# Altium PCB mcu.PcbDoc (continued)
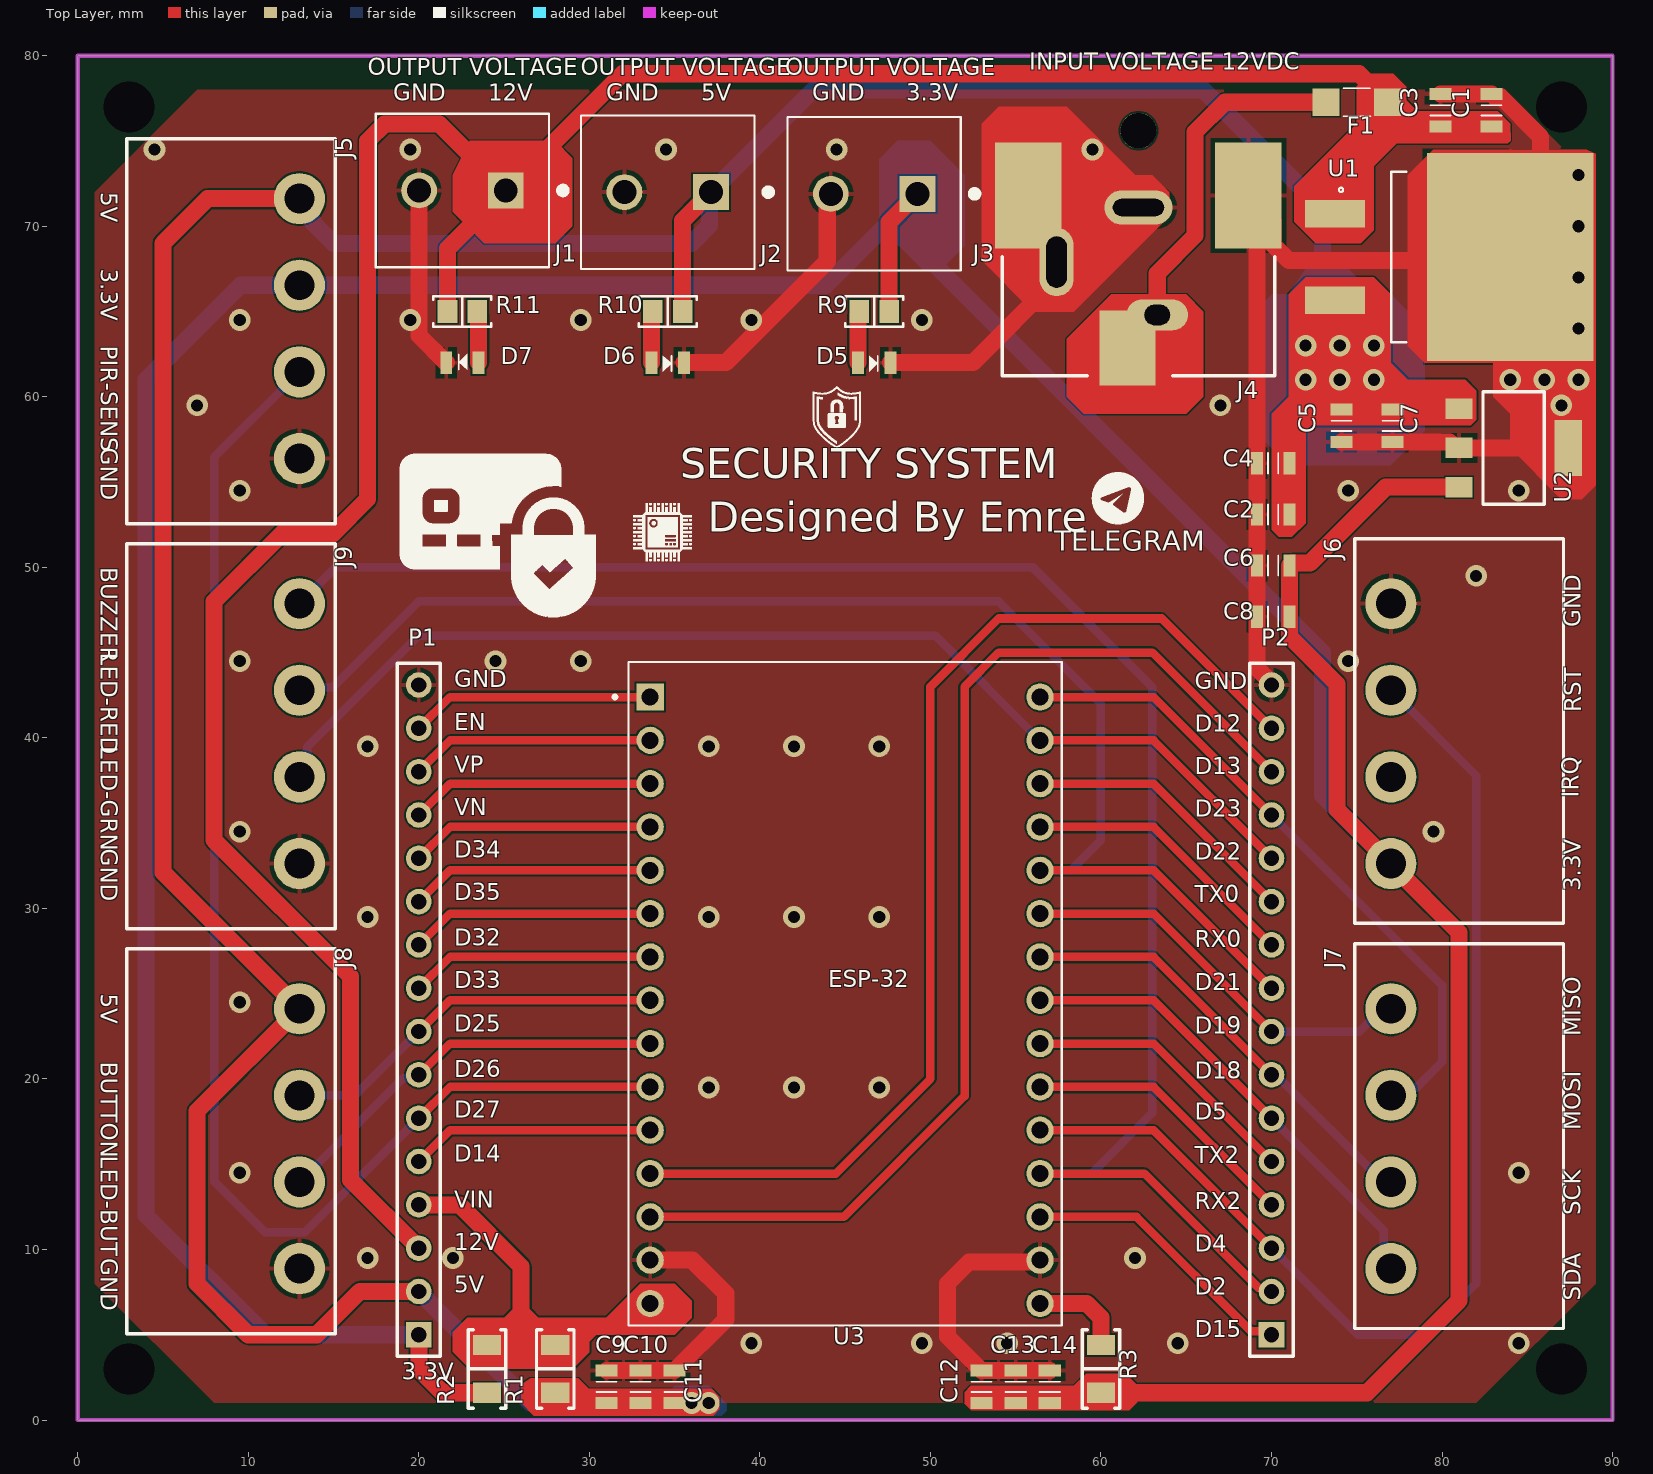
[diagram p0: Top Layer view]
## Part data (continued)
D6 D7: library part "LED RED 0805", "Chipled 0805 Hyp Red 645NM", Case/Package=0805, Forward Voltage=1.8V, Manufacturer="Osram Opto", Manufacturer Part Number=LHR974-LP-1-0-20-R18, Supplier Part Number 1=475-LHR974-LP-1-0-20-R18TR-ND, Category=LEDs, ComponentLink1Description=https://www.verical.com/server-webapp/html/getDatasheet?partID=752067&src-supplier=Verical, ComponentLink1URL=https://www.verical.com/server-webapp/html/getDatasheet?partID=752067&src-supplier=Verical, Designed by=EMRE, Lead Free="Lead Free", Lens Style=Diffused, Luminous Intensity=15mcd, RoHS=Yes, RoHS Compliant=Yes, Supplier 1=Digi-Key, Viewing Angle=160°, Wavelength=660nm
F1: "Fuse Chip Fast Acting 1A 32V SMD Solder Pad 1206 Glass T/R VDE/cULus", Case Code (Metric)=3216, Case Code (Imperial)=1206, Current Rating=1A, DC Cold Resistance=94.2mR, Manufacturer=Schurter, Manufacturer Part Number=3413.0216.22, Max Operating Temperature=90°C, Max Voltage Rating (AC)=32V, Max Voltage Rating (DC)=63V, Min Operating Temperature=-55°C, Package Quantity=1000, Supplier Part Number 1=486-1144-1-ND, Approvals=VDE,cURus, Body Material=Glass,Epoxy, Case/Package=1206, Category=Fuses, ComponentLink1Description=https://datasheet.ciiva.com/301/typ-usi-1206-301440.pdf?src-supplier=Digi-Key, ComponentLink1URL=https://datasheet.ciiva.com/301/typ-usi-1206-301440.pdf?src-supplier=Digi-Key, ComponentLink2Description=https://datasheet.ciiva.com/14541/70160006-14541114.pdf?src-supplier=Allied+Electronics, ComponentLink2URL=https://datasheet.ciiva.com/14541/70160006-14541114.pdf?src-supplier=Allied+Electronics, ComponentLink3Description=https://datasheet.ciiva.com/301/typ-usi-1206-301439.pdf?src-supplier=Digi-Key, ComponentLink3URL=https://datasheet.ciiva.com/301/typ-usi-1206-301439.pdf?src-supplier=Digi-Key, ComponentLink4Description=https://datasheet.ciiva.com/301/typ-usi-1206-301441.pdf?src-supplier=Digi-Key, ComponentLink4URL=https://datasheet.ciiva.com/301/typ-usi-1206-301441.pdf?src-supplier=Digi-Key, ComponentLink5Description=https://datasheet.ciiva.com/8264/typ-usi-1206-8264583.pdf?src-supplier=Avnet, ComponentLink5URL=https://datasheet.ciiva.com/8264/typ-usi-1206-8264583.pdf?src-supplier=Avnet, ComponentLink6Description=https://datasheet.ciiva.com/14102/qousi1206-data-e-14102903.pdf?src-supplier=Distrelec, ComponentLink6URL=https://datasheet.ciiva.com/14102/qousi1206-data-e-14102903.pdf?src-supplier=Distrelec, ComponentLink7Description=https://datasheet.ciiva.com/16316/typ-usi-1206-16316588.pdf?src-supplier=Future+Electronics, ComponentLink7URL=https://datasheet.ciiva.com/16316/typ-usi-1206-16316588.pdf?src-supplier=Future+Electronics, Contact Plating=Gold, Depth=1.6mm, Designed by=EMRE, Fuse Type="Board Mount (Cartridge Style Excluded)", Height=0.6mm, Housing Material=Glass, Lead Free="Lead Free", Length=3.2mm, Mount="Surface Mount,PCB", Number of Pins=2, Packaging="Tape and Reel", Pricing 1="1=0,67000, 50=0,52400, 100=0,39700, 500=0,32624 (USD)", Radiation Hardening=No, RoHS=Yes, RoHS Compliant=Yes, Series="USI 1206", Stock 1=13574, Supplier 1=Digi-Key, Terminal Material=Tin, Termination=SMD/SMT, Voltage Rating=32V, Voltage Rating (AC)=32V, Voltage Rating (DC)=63V, Weight=0.000212oz, Width=1.6mm, Working Voltage=32V
J1 J2 J3: library part CONNECTOR_2Pin, "Conn Terminal Block 2 POS 5.08mm Solder ST Thru-Hole 17.5A/Contact", Color=Green, Current=17.5A, Flammability Rating="UL94 V-0", Manufacturer="TE Connectivity", Max Operating Temperature=105°C, Max Supply Voltage (AC)=300V, Min Operating Temperature=-40°C, Package Quantity=300, Supplier Part Number 1=A98342-ND, Category="Terminal Blocks", Closed End="No (Without)", ComponentLink1Description=https://datasheet.ciiva.com/11758/0900766b80e7dc90-11758676.pdf?src-supplier=Rs, ComponentLink1URL=https://datasheet.ciiva.com/11758/0900766b80e7dc90-11758676.pdf?src-supplier=Rs, ComponentLink2Description=https://datasheet.ciiva.com/15225/getdatasheetpartid-155859-15225932.pdf?src-supplier=Verical, ComponentLink2URL=https://datasheet.ciiva.com/15225/getdatasheetpartid-155859-15225932.pdf?src-supplier=Verical, ComponentLink3Description=https://datasheet.ciiva.com/823/eng-cd-282841-h6-823441.pdf?src-supplier=Digi-Key, ComponentLink3URL=https://datasheet.ciiva.com/823/eng-cd-282841-h6-823441.pdf?src-supplier=Digi-Key, ComponentLink4Description=https://datasheet.ciiva.com/30126/eng-cs-1308389-eurostyle-terminal-blocks-0607-30126654.pdf?src-supplier=Onlinecomponents.com, ComponentLink4URL=https://datasheet.ciiva.com/30126/eng-cs-1308389-eurostyle-terminal-blocks-0607-30126654.pdf?src-supplier=Onlinecomponents.com, Connector Type=Receptacle, Contact Material=Brass, Contact Plating=Tin, Current Rating=17.5A, Depth=9mm, ELV=Compliant, Gender=Male, Housing Color=Green, Housing Material=Polyamide, Lead Free="Lead Free", Length=10.16mm, Manufacturer Part Number=282841-2, Material=Nylon, Max Current Rating=17.5A, Max Voltage Rating (AC)=300V, Mount="Through Hole", Number of Circuits=2, Number of Contacts=2, Number of Levels=1, Number of Poles=2, Number of Positions=2, Number of Positions Per Level=2, Number of Rows=1, Orientation=Straight, Packaging=Carton, Pitch=5.08mm, Plating=Brass, Pricing 1="1=0,88, 10=0,836, 25=0,7992, 50=0,788, 100=0,6886, 250=0,66288, 500=0,62604, 1000=0,54134, 5000=0,464 (USD)", Radiation Hardening=No, Reach SVHC Compliant=Unknown, RoHS=Yes, RoHS Compliant=Yes, Screw Flange="No (Without)", Screwless Terminal Block="Yes (With)", Series=Buchanan, Side Stackable="No (Without)", Stock 1=18756, Supplier 1=Digi-Key, Tail Length=3.5mm, Termination=Solder, Thread Size=M3, Voltage=300V, Voltage Rating=300V, Width=9mm, Wire Gauge (Max)=30AWG, Wire Gauge (Min)=30AWG, Wire/Cable Gauge=30AWG, Interlock="Yes (With)"
J4: "2.0 x 6.3 mm, 5.0 A, Horizontal, Surface Mount (SMT), Dc Power Jack Connector", Case/Package=SMD/SMT, Color=Black, Current Rating=5A, Flammability Rating="UL94 V-0", Manufacturer=CUI, Max Operating Temperature=85°C, Min Operating Temperature=-25°C, Package Quantity=200, Supplier Part Number 1=CP-037AHPJCT-ND, Voltage Rating=24V, Insulation Resistance=100MR, Category=Connectors, ComponentLink1Description=http://www.mouser.com/ds/2/670/pj-037ah-smt-516065.pdf?src-supplier=Mouser, ComponentLink1URL=http://www.mouser.com/ds/2/670/pj-037ah-smt-516065.pdf?src-supplier=Mouser, ComponentLink2Description=https://www.cui.com/product/resource/digikeypdf/pj-037ah-smt-tr.pdf?src-supplier=Digi-Key, ComponentLink2URL=https://www.cui.com/product/resource/digikeypdf/pj-037ah-smt-tr.pdf?src-supplier=Digi-Key, ComponentLink3Description=http://www.cui.com/product/resource/digikeypdf/pj-037ah-smt.pdf?src-supplier=Digi-Key, ComponentLink3URL=http://www.cui.com/product/resource/digikeypdf/pj-037ah-smt.pdf?src-supplier=Digi-Key, Connector Type=Jack, Contact Gender=Male, Contact Material=Copper, Contact Plating=Nickel, Designed by=EMRE, Gender=Male, Housing Color=Black, Housing Material=Thermoplastic, Manufacturer Part Number=PJ-037AH-SMT-TR, Mount="Surface Mount,Through Hole", Number of Conductors=2, Orientation=Horizontal, Packaging="Tape and Reel", Pricing 1="1=1,510000, 10=1,317000, 25=1,261200, 50=1,233200, 100=1,177200 (USD)", RoHS=Yes, Shielding=Unshielded, Stock 1=7547, Supplier 1=Digi-Key, Termination=Solder
J5 J6 J7 J8 J9: library part CONNECTOR_4Pin, "Terminal Header; 12 A; 5.08 mm; 4; Solder Mount; 1.4 mm; 4 kV; 250 V; PBT", Color=Green, Current=15A, Current Rating=12A, Flammability Rating="UL94 V-0", Manufacturer="Phoenix Contact", Package Quantity=50, Supplier Part Number 1=277-1108-ND, Voltage=300V, Voltage Rating=250V, Approvals=UL,CSA, Category="Terminal Blocks", ComponentLink1Description=https://datasheet.ciiva.com/16096/1757268-16096406.pdf?src-supplier=Onlinecomponents.com, ComponentLink1URL=https://datasheet.ciiva.com/16096/1757268-16096406.pdf?src-supplier=Onlinecomponents.com, ComponentLink2Description=https://datasheet.ciiva.com/15197/getdatasheetpartid-176352-15197330.pdf?src-supplier=Verical, ComponentLink2URL=https://datasheet.ciiva.com/15197/getdatasheetpartid-176352-15197330.pdf?src-supplier=Verical, ComponentLink3Description=https://datasheet.ciiva.com/795/1757268-795434.pdf?src-supplier=Digi-Key, ComponentLink3URL=https://datasheet.ciiva.com/795/1757268-795434.pdf?src-supplier=Digi-Key, ComponentLink4Description=https://datasheet.ciiva.com/7630/1697153-7630841.pdf?src-supplier=Element14, ComponentLink4URL=https://datasheet.ciiva.com/7630/1697153-7630841.pdf?src-supplier=Element14, ComponentLink5Description=https://datasheet.ciiva.com/29210/569323-da-01-en-grundgehaeuse-1757268-250-st-29210575.pdf?src-supplier=Conrad, ComponentLink5URL=https://datasheet.ciiva.com/29210/569323-da-01-en-grundgehaeuse-1757268-250-st-29210575.pdf?src-supplier=Conrad, ComponentLink6Description=https://datasheet.ciiva.com/16703/70054631-16703596.pdf?src-supplier=Allied+Electronics, ComponentLink6URL=https://datasheet.ciiva.com/16703/70054631-16703596.pdf?src-supplier=Allied+Electronics, Connector Type=Plug, Contact Material=Tin, Contact Plating=Tin, Depth=12mm, Gender=Male, Height=12.1mm, Housing Color=Green, Housing Material=Polybutylene, Lead Free="Lead Free", Length=22.32mm, Manufacturer Part Number=1757268, Max Current Rating=12A, Mount="Through Hole", Number of Contacts=4, Number of Levels=1, Number of Poles=4, Number of Positions=4, Number of Positions Per Level=4, Number of Rows=1, Orientation="Right Angle", Packaging=Bulk, Pitch=5.08mm, Pricing 1="1=1,62, 10=1,484, 50=1,419, 100=1,3803, 250=1,29, 500=1,1868, 1000=1,0965, 2500=1,0449, 5000=0,9804 (USD)", Reach SVHC Compliant=No, RoHS=Yes, RoHS Compliant=Yes, Series=MSTBA, Stock 1=17192, Supplier 1=Digi-Key, Termination=Solder, Voltage Rating (DC)=250V, Weight=5.396916oz, Width=22.24mm
P1 P2: "Header, 16-Pin", LatestRevisionDate=17-Jul-2002, LatestRevisionNote="Re-released for DXP Platform.", Publisher="Altium Limited"
R1 R2 R3: library part RC1206FR-130RL, "RES 0 OHM JUMPER 1206", Device Package="1206 (3216 Metric)", Manufacturer=Yageo, Operating Temperature="-55°C ~ 155°C", Supplier Device Package=1206, Supplier Part Number 1=13-RC1206FR-130RLCT-ND, Tolerance=Jumper, ComponentLink1Description=Datasheet, ComponentLink1URL=https://www.yageo.com/upload/media/product/productsearch/datasheet/rchip/PYu-RC_Group_51_RoHS_L_12.pdf, ComponentLink2Description="DigiKey Link", ComponentLink2URL=https://www.digikey.com/en/products/detail/yageo/RC1206FR-130RL/16982181, Composition="Thick Film", Features="Moisture Resistant", Height - Seated (Max)="0.026\" (0.65mm)", LastUpdated="1.05.2023 19:33:04", Lifecycle Status=Active, Minimum Order=1, Number of Terminations=2, Package / Case="1206 (3216 Metric)", Packaging=TapeAndReel, Part Number=RC1206FR-130RL, Part Status=Active, PartId=76721, Price=0.01, Resistance="0 Ohms", Series=RC_L, Size / Dimension="0.122\" L x 0.063\" W (3.10mm x 1.60mm)", Supplier 1=DigiKey
R9: library part ESR10EZPJ331, "RES SMD 330 OHM 5% 0.4W 0805", Device Package="0805 (2012 Metric)", Manufacturer="Rohm Semiconductor", Operating Temperature="-55°C ~ 155°C", Power (Watts)="0.4W, 2/5W", Ratings=AEC-Q200, Supplier Device Package=0805, Supplier Part Number 1=RHM330KCT-ND, Temperature Coefficient=±200ppm/°C, Tolerance=±5%, ComponentLink1Description=Datasheet, ComponentLink1URL=https://www.rohm.com/datasheet/ESR01MZPF/esr-e, ComponentLink2Description="DigiKey Link", ComponentLink2URL=https://www.digikey.com/en/products/detail/rohm-semiconductor/ESR10EZPJ331/1762807, Composition="Thick Film", Features="Automotive AEC-Q200, Pulse Withstanding", Height - Seated (Max)="0.026\" (0.65mm)", LastUpdated="1.05.2023 19:42:01", Lifecycle Status=Active, Minimum Order=1, Number of Terminations=2, Package / Case="0805 (2012 Metric)", Packaging=TapeAndReel, Part Number=ESR10EZPJ331, Part Status=Active, PartId=32307, Price=0.01, Resistance="330 Ohms", Series=ESR, Size / Dimension="0.079\" L x 0.049\" W (2.00mm x 1.25mm)", Supplier 1=DigiKey
R10: library part ERA-6AEB102V, "RES 1K OHM 0.1% 1/8W 0805", Device Package="0805 (2012 Metric)", Manufacturer="Panasonic Electronic Components", Operating Temperature="-55°C ~ 155°C", Power (Watts)="0.125W, 1/8W", Ratings=AEC-Q200, Supplier Device Package=0805, Supplier Part Number 1=P1.0KDACT-ND, Temperature Coefficient=±25ppm/°C, Tolerance=±0.1%, ComponentLink1Description=Datasheet, ComponentLink1URL=https://industrial.panasonic.com/cdbs/www-data/pdf/RDM0000/AOA0000C307.pdf, ComponentLink2Description="DigiKey Link", ComponentLink2URL=https://www.digikey.com/en/products/detail/panasonic-electronic-components/ERA-6AEB102V/1465748, Composition="Thin Film", Features="Automotive AEC-Q200", Height - Seated (Max)="0.024\" (0.60mm)", LastUpdated="23.05.2023 19:59:49", Lifecycle Status=Active, Minimum Order=1, Number of Terminations=2, Package / Case="0805 (2012 Metric)", Packaging=TapeAndReel, Part Number=ERA-6AEB102V, Part Status=Active, PartId=28065, Price=0.03, Resistance="1 kOhms", Series=ERA-6A, Size / Dimension="0.079\" L x 0.049\" W (2.00mm x 1.25mm)", Supplier 1=DigiKey
R11: library part RC0805FR-072KP, "RES SMD 2K OHM 1% 1/8W 0805", Device Package="0805 (2012 Metric)", Manufacturer=Yageo, Operating Temperature="-55°C ~ 155°C", Power (Watts)="0.125W, 1/8W", Supplier Device Package=0805, Supplier Part Number 1=YAG1322CT-ND, Temperature Coefficient=±100ppm/°C, Tolerance=±1%, ComponentLink1Description=Datasheet, ComponentLink1URL=http://www.yageo.com/NewPortal/yageodocoutput?fileName=/pdf/R-Chip/PYu-RC_51_RoHS_P_0.pdf, ComponentLink2Description="DigiKey Link", ComponentLink2URL=https://www.digikey.com/en/products/detail/yageo/RC0805FR-072KP/4935337, Composition="Thick Film", Features="Moisture Resistant", Height - Seated (Max)="0.024\" (0.60mm)", LastUpdated="23.05.2023 19:59:47", Lifecycle Status=Active, Minimum Order=1, Number of Terminations=2, Package / Case="0805 (2012 Metric)", Packaging=TapeAndReel, Part Number=RC0805FR-072KP, Part Status=Active, PartId=28672, Price=0.01, Resistance="2 kOhms", Series="RC-P Lead Free", Size / Dimension="0.079\" L x 0.049\" W (2.00mm x 1.25mm)", Supplier 1=DigiKey
U1: library part 7805
U3: library part ESP32_BOARD

## Free pads (board coordinates)
  rect 0x0 hole 3 mask+0.05: ""(3,3) ""(3,77) ""(87,3) ""(87,77)

## Via types
v1: diameter 1.27, hole 0.711, Top Layer to Bottom Layer, tented both sides, 60 vias

## Nets (pads, with @x,y where several pads share a name; then routed paths per layer and width w, separated by ;. In a path a pad name is that pad's centre, name@x,y a point inside that pad or via, vN(x,y) a via of type N, cw(c..) or ccw(c..) an arc to the next point about the centre after c; other vN are vias at no path point)
3V3DC: C6.2 C8.2 C12.2 C13.2 C14.2 J3.1 J5.2 J6.1 P1.1 R2.2 R3.2 R9.1 U2.3 | length 264.9
  Top Layer w1: P1.1 20,3 21.4,1.6 R2.2 ; R9.1 47.575,70.235 J3.1 ; R3.2 75.6,1.6 81,7 81,28.591 77,32.591 J6.1 73.834,35.796 73.834,43.166 71.05,45.95 C8.2 C6.2 71.192,50.242 72.242,50.242 76.7,54.7 U2.3
  Bottom Layer w1: P1.1 11,5 4,12 4,61 9.54,66.54 J5.2 43.88,66.54 J3.1 49.24,68.76 73,45 73,36.63 J6.1
3V3DC_P: 
3V3DC_R: 
5VDC: C2.2 C4.2 C5.2 C7.2 C9.2 C10.2 C11.2 J2.1 J5.1 J8.1 P1.2 R1.2 R10.1 U1.3 U2.1 | length 193.7
  Top Layer w1: J5.1 7.62,71.62 5,69 5,32.12 J8.1 7,18.12 7,8 10,5 14,5 16.54,7.54 P1.2 ; R10.1 35.475,70.335 J2.1
  Bottom Layer w1: J5.1 13,71.079 13.811,70.267 13.811,70.189 15,69 36,69 37.036,70.036 37.036,71.896 43.14,78 66,78 73,71 73,64 ; P1.2 26.54,1 v1(36,1)
  other v1: 37,1 72,61 74,61 76,61 72,63 74,63 76,63
5VDC_P: 
5VDC_R: 
12VDC: C1.2 C3.2 F1.1 J1.1 P1.3 R11.1 U1.1 | length 149.2
  Top Layer w1: P1.3 16,14.08 16,26 8,34 8,48 12,52 15,52 17,54 17,75 18,76 21.2,76 J1.1 ; R11.1 21.685,68.685 J1.1 ; F1.1 75.128,78.943 31.943,78.943 J1.1
BUTTON: J8.2 P1.8 U3.D25 | length 22.9
  Top Layer w0.5: P1.8 21.835,24.615 U3.D25
  Bottom Layer w0.5: J8.2 16.26,19.04 P1.8
BUTTON_R: 
BUZZER: J9.1 P2.2 U3.D2 | length 103.3
  Top Layer w0.5: U3.D2 62.545,14.455 69.269,7.731 69.809,7.731 P2.2
  Bottom Layer w0.5: J9.1 15.13,50 56,50 63,43 63,18 59.455,14.455 U3.D2
BUZZER_R: 
D12: P2.15 U3.D12 | length 66.1
  Top Layer w0.5: U3.D12 44.455,14.455 50,20 50,43 54,47 63.56,47 P2.15
D13: P2.14 U3.D13 | length 67.1
  Top Layer w0.5: U3.D13 44.915,11.915 52,19 52,43 54,45 63.02,45 P2.14
D14: P1.5 U3.D14 | length 14.3
  Top Layer w0.5: P1.5 21.835,16.995 U3.D14
D15: P2.1 U3.D15 | length 16.4
  Top Layer w0.5: U3.D15 62.085,11.915 68.793,5.207 69.793,5.207 P2.1
D32: P1.10 U3.D32 | length 14.3
  Top Layer w0.5: P1.10 21.835,29.695 U3.D32
D33: P1.9 U3.D33 | length 14.3
  Top Layer w0.5: P1.9 21.835,27.155 U3.D33
D34: P1.12 U3.D34 | length 14.3
  Top Layer w0.5: P1.12 21.835,34.775 U3.D34
D35: P1.11 U3.D35 | length 14.3
  Top Layer w0.5: P1.11 21.835,32.235 U3.D35
EN: P1.15 U3.EN | length 14.3
  Top Layer w0.5: P1.15 21.835,42.395 U3.EN
GND: C1.1 C2.1 C3.1 C4.1 C5.1 C6.1 C7.1 C8.1 C9.1 C10.1 C11.1 C12.1 C13.1 C14.1 D5.1 D6.1 D7.1 J1.2 J2.2 J3.2 J4.2 J4.3 J5.4 J6.4 J8.4 J9.4 P1.16 P2.16 U1.4 U2.2 U3.GND U3.GND_1 | length 143.1
  Top Layer w1: J1.2 20.02,63.59 D7.1 ; C9.1 C10.1 C11.1 38,5.9 38,7.414 36.039,9.375 U3.GND_1 ; D6.1 38,62 43.95,67.95 43.95,71.69 J3.2 ; D5.1 52.5,62 57.4,66.9 J4.3@57.4,67.9 ; U3.GND 56.315,9.26 52.26,9.26 51,8 51,4.9 C12.1 C13.1 C14.1 ; P2.16 70,43.235 69.15,44.085 C8.1 C6.1 C2.1 C4.1 69.15,71.15 69.225,71.225 70.1,70.35 70.1,68.9 71.015,67.985 83.785,67.985 85.814,70.014 85.786,70.042 85.786,75.242 83.428,77.6 83.05,77.6 C1.1 C3.1 ; C5.1 C7.1 80.45,57.35 80.8,57 81,57 U2.2@87.4,57
  other v1: 39.5,4.5 49.5,4.5 54.5,4.5 64.5,4.5 84.5,4.5 17,9.5 22,9.5 62,9.5 9.5,14.5 84.5,14.5 37,19.5 42,19.5 47,19.5 9.5,24.5 17,29.5 37,29.5 42,29.5 47,29.5 9.5,34.5 79.5,34.5 17,39.5 37,39.5 42,39.5 47,39.5 9.5,44.5 24.5,44.5 29.5,44.5 74.5,44.5 82,49.5 9.5,54.5 74.5,54.5 84.5,54.5 7,59.5 67,59.5 87,59.5 84,61 86,61 88,61 88,64 9.5,64.5 19.5,64.5 29.5,64.5 39.5,64.5 49.5,64.5 88,67 88,70 88,73 4.5,74.5 19.5,74.5 34.5,74.5 44.5,74.5 59.5,74.5
GND_P: 
GND_R: 
IRQ: J6.2
IRQ_R: 
LED_BUTTON: J8.3 P1.7 U3.D26 | length 23.9
  Top Layer w0.5: P1.7 21.835,22.075 U3.D26
  Bottom Layer w0.5: J8.3 19.089,20.049 19.809,20.049 P1.7
LED_BUTTON_R: 
LED_KIRMIZI: J9.2 P2.9 U3.D21 | length 80.4
  Top Layer w0.5: U3.D21 63.085,32.235 P2.9
  Bottom Layer w0.5: J9.2 13.167,42.957 14.957,42.957 20,48 54,48 60,42 60,34 58.235,32.235 U3.D21
LED_KIRMIZI_R: 
LED_YESIL: J9.3 P2.12 U3.D22 | length 66.6
  Top Layer w0.5: U3.D22 63.085,39.855 P2.12
  Bottom Layer w0.5: J9.3 13.446,38.156 13.446,39.446 20,46 50.285,46 U3.D22
LED_YESIL_R: 
MISO: J7.4 P2.8 U3.D19 | length 24
  Top Layer w0.5: U3.D19 63.085,29.695 P2.8
  Bottom Layer w0.5: P2.8 75.158,22.78 76.498,24.12 J7.4
MISO_R: 
MOSI: J7.3 P2.13 U3.D23 | length 38.9
  Top Layer w0.5: U3.D23 63.085,42.395 P2.13
  Bottom Layer w0.5: P2.13 80,25.48 80,21 78.518,19.518 77.478,19.518 J7.3
MOSI_R: 
NetD1_2: 
NetD2_2: 
NetD3_2: 
NetD4_2: 
NetD5_2: D5.2 R9.2 | length 3
  Top Layer w1: D5.2 45.75,64.825 45.825,64.9 R9.2
NetD6_2: D6.2 R10.2 | length 3
  Top Layer w1: D6.2 33.65,64.825 33.725,64.9 R10.2
NetD7_2: D7.2 R11.2 | length 3
  Top Layer w1: R11.2 23.435,64.9 23.51,64.825 D7.2
NetF1_2: F1.2 J4.1 | length 20
  Top Layer w1: J4.1@63.3,64.8 63.3,67.235 65.52,69.454 65.52,75.52 67.271,77.271 F1.2
NetR3_1: R3.1 U3.3V3 | length 5.5
  Top Layer w1: U3.3V3 59.165,6.835 60,6 R3.1
PIR_SENSOR: J5.3 P1.6 U3.D27 | length 79.9
  Top Layer w0.5: P1.6 21.835,19.535 U3.D27
  Bottom Layer w0.5: J5.3 8,56.46 8,14 11,11 13.3,11 P1.6
PIR_SENSOR_P: 
RST: J6.3 P2.3 U3.D4 | length 68.6
  Top Layer w0.5: U3.D4 63.085,16.995 P2.3
  Bottom Layer w0.5: P2.3 75.08,5 79,5 82,8 82,37.79 J6.3
RST_R: 
RX0: P2.10 U3.RX0 | length 16.4
  Top Layer w0.5: U3.RX0 63.085,34.775 P2.10
RX2: P2.4 U3.RX2 | length 16.4
  Top Layer w0.5: U3.RX2 63.085,19.535 P2.4
SCK: J7.2 P2.7 U3.D18 | length 26
  Top Layer w0.5: U3.D18 63.085,27.155 P2.7
  Bottom Layer w0.5: P2.7 70.271,20.24 76.551,13.96 J7.2
SCK_R: 
SDA: J7.1 P2.6 U3.D5 | length 28.2
  Top Layer w0.5: U3.D5 63.085,24.615 P2.6
  Bottom Layer w0.5: P2.6 76.57,11.13 76.57,9.31 J7.1
SDA_R: 
TX0: P2.11 U3.TX0 | length 16.4
  Top Layer w0.5: U3.TX0 63.085,37.315 P2.11
TX2: P2.5 U3.TX2 | length 16.4
  Top Layer w0.5: U3.TX2 63.085,22.075 P2.5
VIN: P1.4 R1.1 R2.1 U3.VIN | length 11.5
  Top Layer w1: P1.4 22.38,12.62 26,9 26,5
VN: P1.13 U3.VN | length 14.3
  Top Layer w0.5: P1.13 21.835,37.315 U3.VN
VP: P1.14 U3.VP | length 14.3
  Top Layer w0.5: P1.14 21.835,39.855 U3.VP
pads on no net: J4.

## Polygon pours and split planes (outlines as drawn)
GND on Top Layer "GND_L01_P001" (solid, remove dead copper, pour order 1): 1,72 7,78 83.651,78 89,72.651 89,71 89,8 82,1 8,1 1,8
GND on Bottom Layer "GND_L02_P002" (solid, remove dead copper, pour order 2): 1,72 7,78 83.651,78 89,72.651 89,71 89,8 82,1 8,1 1,8

## Keep-outs
Keep-Out Layer:
  the board outline again, w0.254

## Other copper
Top Layer:
  region net 12VDC: 23,75 28,75 29,74 29,70 28,69 23.845,69 22,70.845 22,73
  region net VIN: 26,7 24,5 28,5
  region net 5VDC: 26.55,2.437 29.364,2.437 29.579,2.222 29.975,1.826 37.174,1.826 37.632,1.368 37.632,0.632 37.264,0.264 26.736,0.264 26,1 26,2 26.069,2.114
  region net VIN: 31,6 33,8 35,8 36,7 36,6 35,5 30.398,5 30,4.602 30,3.967 29.033,3 23,3 22,4 22,5.146 22.854,6
  region net NetF1_2: 65,66 66,65 66,60 65,59 59,59 58,60 58,63.411 60.589,66
  region net GND: 53,76 53,68 56,65 58.404,65 64,70.596 64,72 63,73 62,73 58,77 54,77
  region net GND: 84,57 87,54 88.193,54 89,54.807 89,74.256 88.474,74.474 79.474,74.474 78,73 78,71 78,63 79,62 83,62 83,60 84,59 84,58
  region net 3V3DC: 52.358,2 58.419,2 59.138,2.719 61.453,2.719 62.139,2.033 62.139,1.043 61.662,0.566 52.402,0.566 51.996,0.971 52,0.975 52,1.642
  region net 12VDC: 84,76 84.02,75.02 83.861,74.861 77.33,74.861 76,73.531 76,69.767 75.233,69 72.605,69 71.334,70.27 71.334,72.334 75,76 75,78.217 75.741,78.958 75.76,78.939 77.133,78.939 77.904,78.168 77.904,77.389 78.555,76.738 83.262,76.738
  region net 5VDC: 72,67 76,67 77,66 77,62 78,61 81.36,61 82,60.36 82,58.656 81.678,58.335 72.335,58.335 72,58 72,52.588 71.197,51.785 70.433,51.785 70,52.218 70,59 71,60 71,62 71,66
Bottom Layer:
  region net 5VDC: 73,69 76,66 76,65 72,65 71,66
  region net 5VDC: 73,68 71,66
  region net 5VDC: 77,66 79,64 79,58 77,56 71,56 69,58 69,65 70,66 72,66 70,66 72,66
  region net 3V3DC: 47,70 49.597,67.403 50.555,67.403 52,68.848 52,73 50,75 48.063,75 47,73.937
  region net 5VDC: 35,2 37,2 38.027,0.973 38.027,0.526 37.789,0.288 35.216,0.288 34.729,0.775 34.729,1.729 34.755,1.755

## Silkscreen, mask and mechanical layers (free items; w line width, h text height)
Top Overlay:
  drawing of 28 lines, arcs and shapes, not listed
  text "INPUT VOLTAGE 12VDC" at 55.801,78.838 h1.7
  text "OUTPUT VOLTAGE" at 17,78.516 h1.7
  text "OUTPUT VOLTAGE" at 29.5,78.516 h1.7
  text "OUTPUT VOLTAGE" at 41.5,78.516 h1.7
  text "GND" at 18.5,77.013 h1.7
  text "12V" at 24.07,77.005 h1.7
  text "GND" at 31,77.013 h1.7
  text "5V" at 36.57,77.013 h1.7
  text "GND" at 43.07,77.013 h1.7
  text "3.3V" at 48.57,77.013 h1.7
  text "5V" at 1.013,72 h1.7 r270
  text "3.3V" at 1.013,67.5 h1.7 r270
  text "PIR-SENS" at 1.013,63 h1.7 r270
  text "GND" at 1.013,57 h1.7 r270
  text "SECURITY SYSTEM" at 35.322,54.623 h3
  text "Designed By Emre" at 36.938,51.501 h3
  text "TELEGRAM" at 57.272,50.599 h2
  text "BUZZER" at 1.013,50 h1.7 r270
  text "GND" at 88.487,46.5 h1.7 r90
  text "LED-RED" at 1,45 h1.7 r270
  text "GND" at 22.07,42.618 h1.7
  text "GND" at 65.5,42.513 h1.7
  text "RST" at 88.5,41.5 h1.7 r90
  text "EN" at 22.07,40.11 h1.7
  text "D12" at 65.5,40 h1.7
  text "LED-GRN" at 1.013,39.5 h1.7 r270
  text "VP" at 22.07,37.61 h1.7
  text "D13" at 65.5,37.513 h1.7
  text "IRQ" at 88.371,36.5 h1.7 r90
  text "VN" at 22.07,35.11 h1.7
  text "D23" at 65.5,35.013 h1.7
  text "GND" at 1.013,33.5 h1.7 r270
  text "D34" at 22.07,32.618 h1.7
  text "D22" at 65.5,32.5 h1.7
  text "3.3V" at 88.487,31 h1.7 r90
  text "D35" at 22.07,30.118 h1.7
  text "TX0" at 65.5,30.013 h1.7
  text "D32" at 22.07,27.467 h1.7
  text "RX0" at 65.5,27.362 h1.7
  text "ESP-32" at 44,25.016 h1.7
  text "5V" at 1.013,25 h1.7 r270
  text "D33" at 22.07,24.956 h1.7
  text "D21" at 65.5,24.839 h1.7
  text "MISO" at 88.487,22.5 h1.7 r90
  text "D25" at 22.07,22.41 h1.7
  text "D19" at 65.5,22.305 h1.7
  text "BUTTON" at 1.013,21 h1.7 r270
  text "D26" at 22.07,19.755 h1.7
  text "D18" at 65.5,19.65 h1.7
  text "D27" at 22.07,17.362 h1.7
  text "D5" at 65.5,17.265 h1.7
  text "MOSI" at 88.487,17 h1.7 r90
  text "LED-BUT" at 1.013,15.5 h1.7 r270
  text "D14" at 22.07,14.798 h1.7
  text "TX2" at 65.5,14.693 h1.7
  text "VIN" at 22.07,12.11 h1.7
  text "RX2" at 65.5,12.005 h1.7
  text "SCK" at 88.487,12 h1.7 r90
  text "12V" at 22.07,9.61 h1.7
  text "GND" at 1.013,9.5 h1.7 r270
  text "D4" at 65.5,9.505 h1.7
  text "5V" at 22.07,7.118 h1.7
  text "D2" at 65.5,7 h1.7
  text "SDA" at 88.487,7 h1.7 r90
  text "D15" at 65.5,4.513 h1.7
  text "3.3V" at 19,2.013 h1.7
Bottom Overlay:
  text "SECURITY SYSTEM PROPERTIES" at 64.5,59.528 h3
  text "MAX INPUT VOLTAGE : 12VDC" at 64.5,57.528 h3
  text "MAX INPUT CURRENT : 1A" at 64.5,55.528 h3
  text "DESIGNED BY EMRE" at 64.5,51.528 h3
Drill Drawing:
  the board outline again, w0.2

## Dimensions
0,80 to 0,0 on Drill Drawing
0,0 to 90,0 on Drill Drawing